# Altium PCB PCB_Tx.PcbDoc
Units mm, origin at the board's own origin, x right, y up, seen from the top; angles counter-clockwise.
Board outline 106.22 x 85.17 mm, 2 copper layers (Top Layer, Bottom Layer); 44 components, 39 nets, 191 pads, 12 vias.
Unrouted connection lines stored in the file: 39.
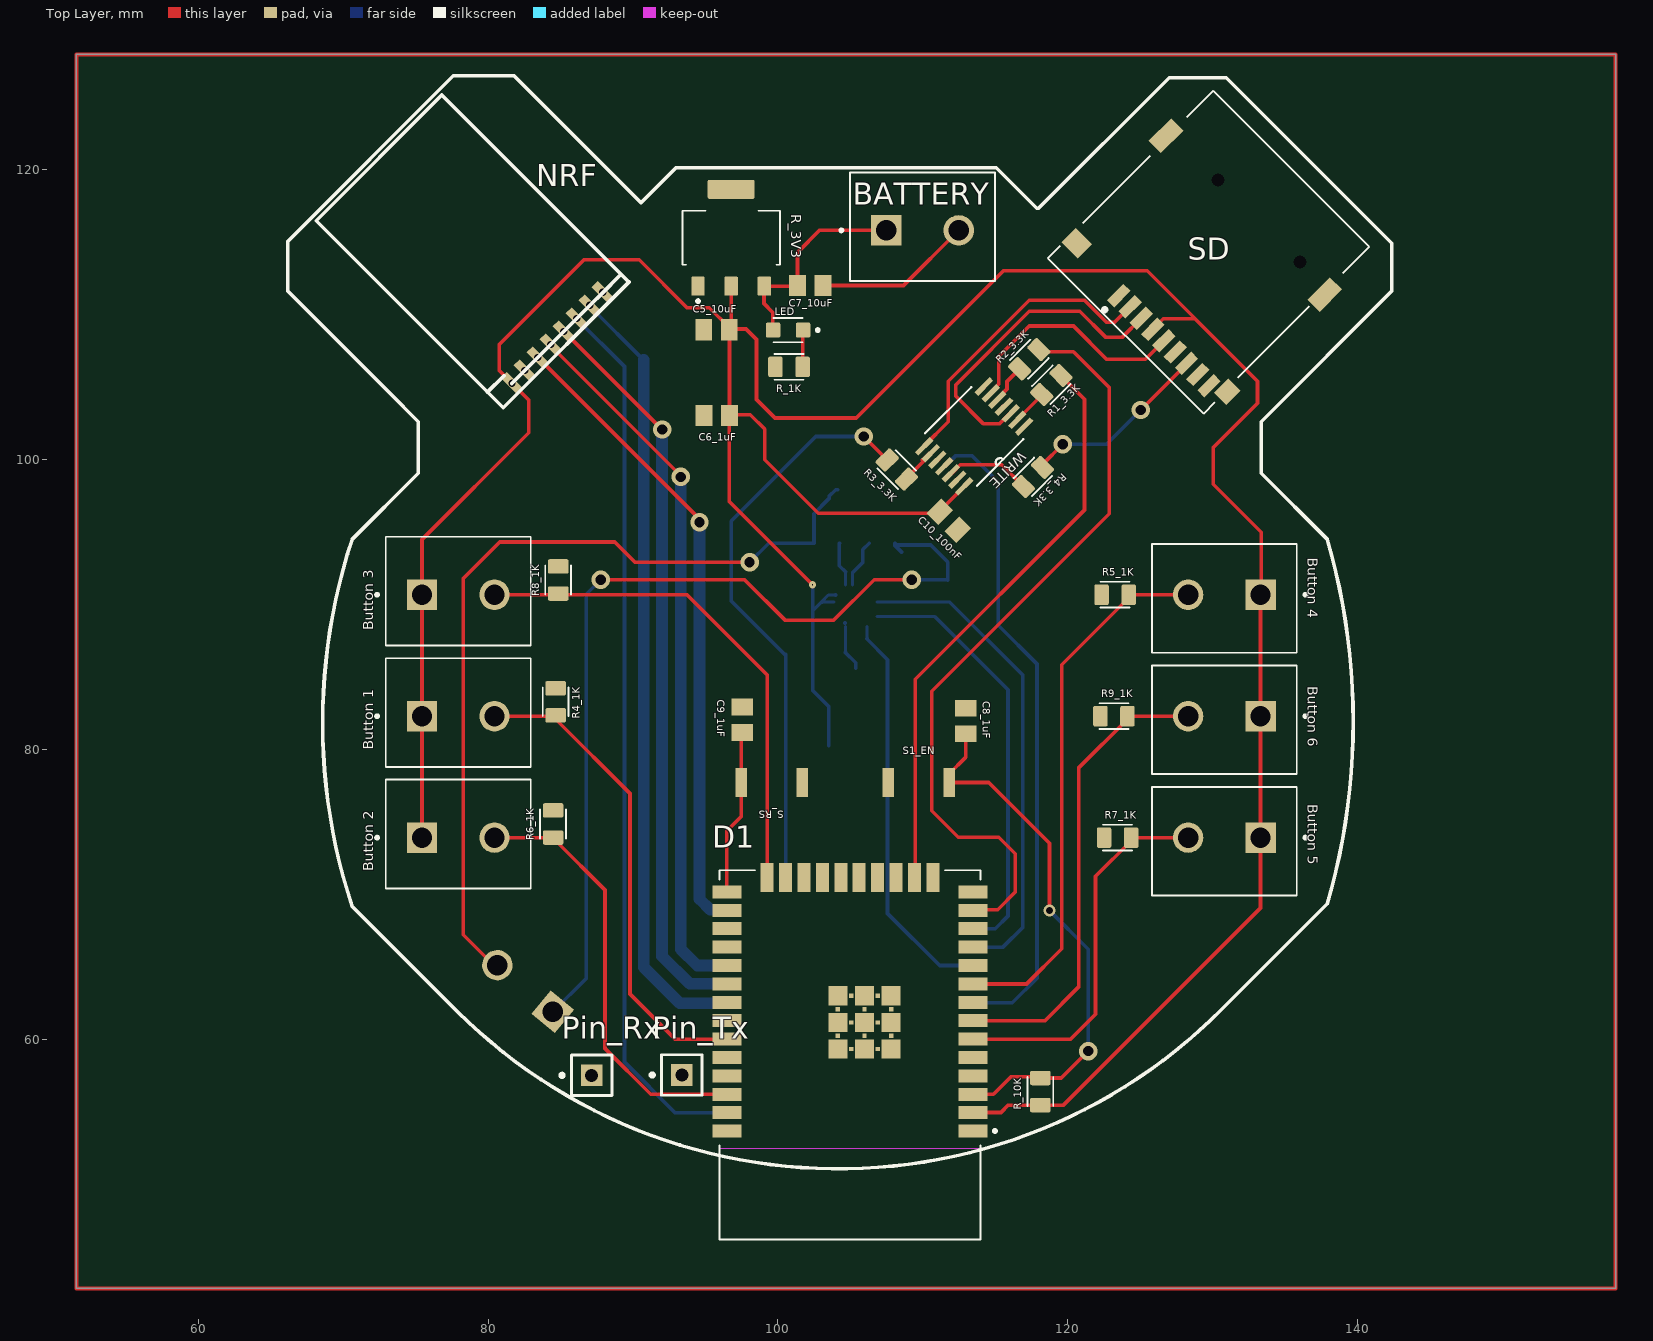
[diagram p0: Top Layer view]
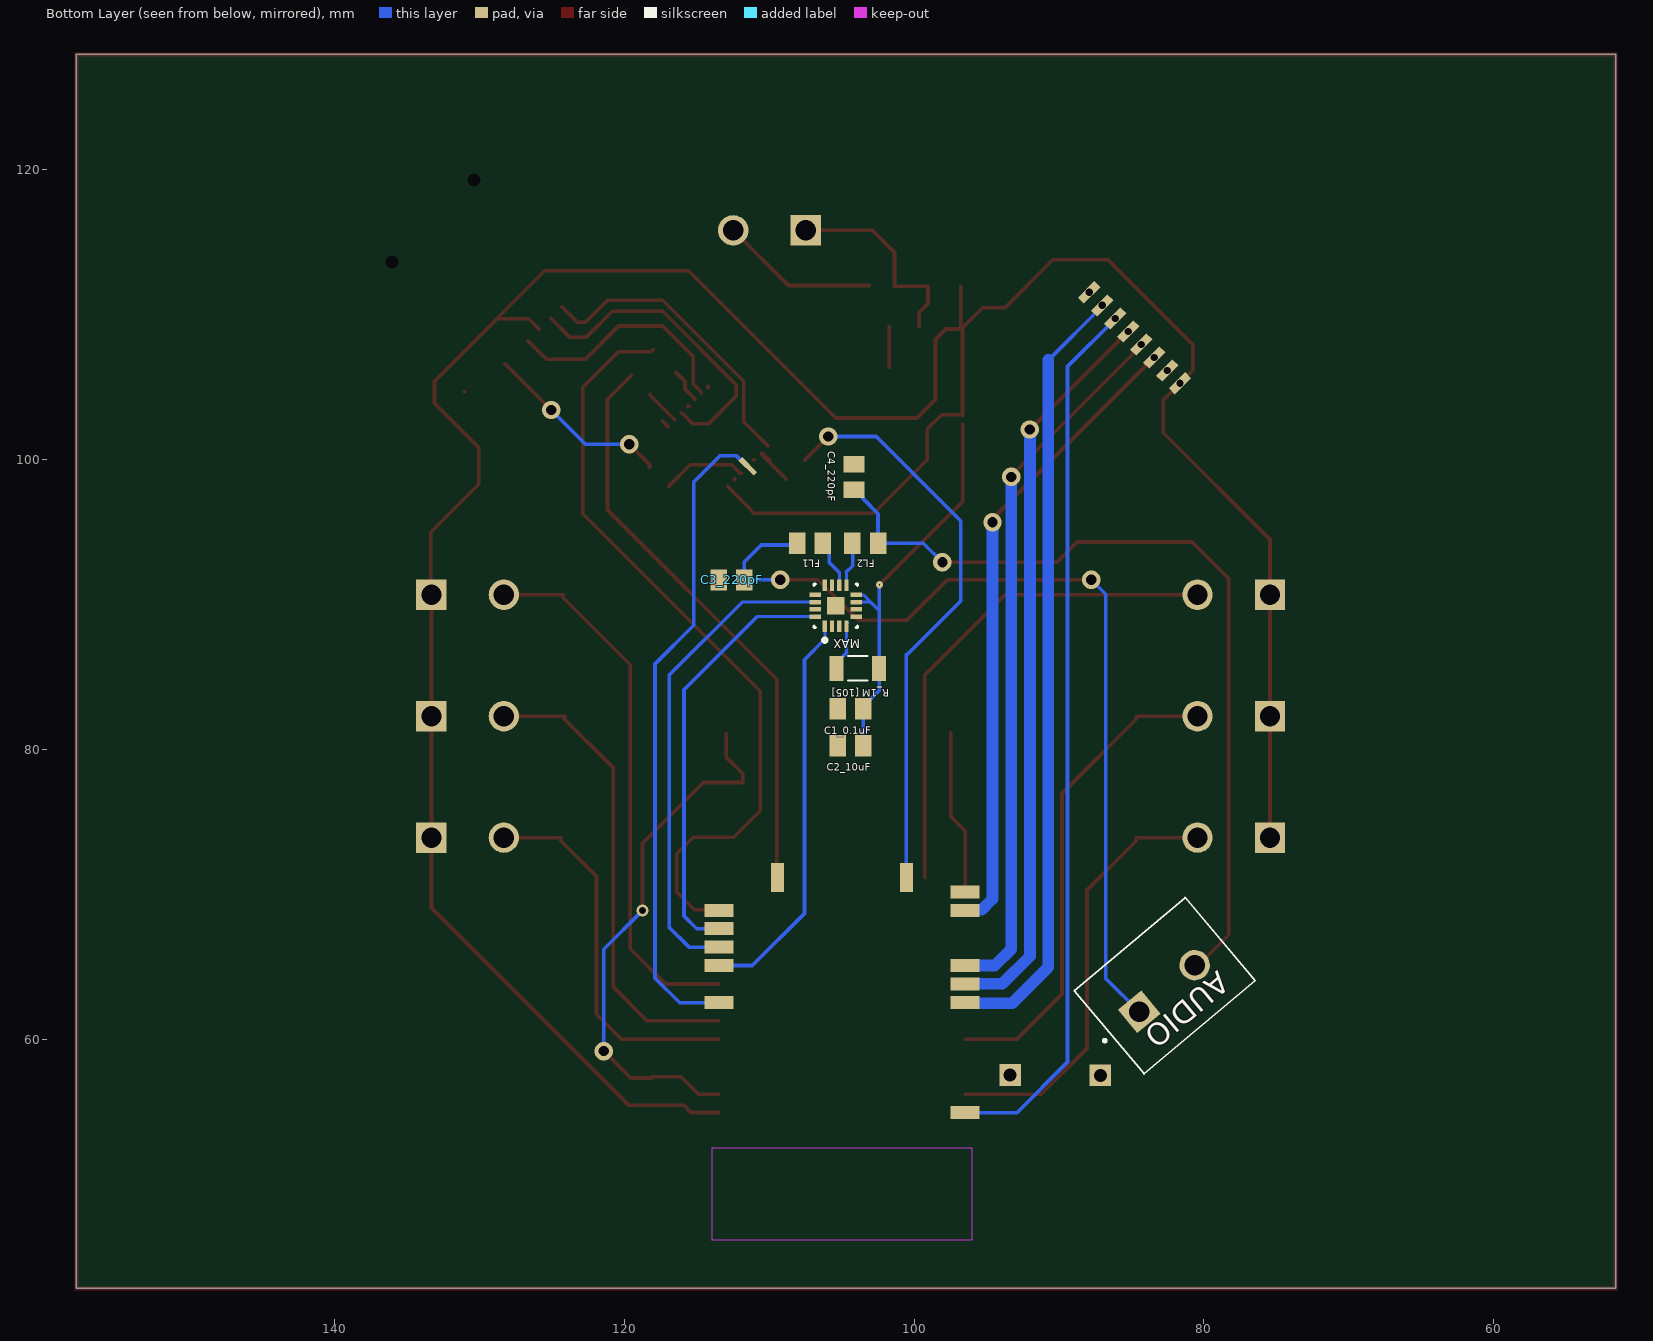
[diagram p1: Bottom Layer view, seen from below]

## Layer stack, top to bottom
Top Solder: solder mask 0.0102, Solder Resist, Dk 3.5
Top Layer: signal copper 0.0356
Dielectric 1: dielectric 0.32, FR-4, Dk 4.8
Bottom Layer: signal copper 0.0356
Bottom Solder: solder mask 0.0102, Solder Resist, Dk 3.5

## Board outline
51.587,42.799 51.587,127.965 157.81,127.965 157.81,42.799

## Design rules (kind name [scope] priority, off if disabled: settings)
Clearance [All] p1: gap=0.254 ignorepadtopadclearanceinfootprint=FALSE except(0: Arc-Hole Track-Hole SMDPad-Hole THPad-Hole Via-Hole Fill-Hole Poly-Hole Region-Hole Text-Hole)
PolygonConnect [All] p1: connectstyle=Relief reliefconductorwidth=0.254 reliefentries=4 polygonreliefangle="90 Angle" airgapwidth=0.254
RoutingVias [All] p1: holewidth=0.711 width=1.27 viastyle="Through Hole" minholewidth=0.711 minwidth=1.27 maxholewidth=0.711 maxwidth=1.27
SolderMaskExpansion [All] p1: expansion=0.102 istentingtop=FALSE
Width [All] p1: maxlimit=0.8 minlimit=0.254 preferedwidth=0.8
30 further rules are at their usual default settings.

## Components (designator, comment, footprint, x,y, rotation, side; value= is the part's Value field where it differs from the comment)
AUDIO "KF301-2P" HANDSON_KF301-2P 82.55,63.5 r140 bottom
BATTERY "KF301-2P" HANDSON_KF301-2P 109.982,115.824 r0 top
"Button 1" "KF301-2P" HANDSON_KF301-2P 77.938,82.296 r0 top
"Button 2" "KF301-2P" HANDSON_KF301-2P 77.938,73.914 r0 top
"Button 3" "KF301-2P" HANDSON_KF301-2P 77.938,90.678 r0 top
"Button 4" "KF301-2P" HANDSON_KF301-2P 130.81,90.678 r180 top
"Button 5" "KF301-2P" HANDSON_KF301-2P 130.81,73.914 r180 top
"Button 6" "KF301-2P" HANDSON_KF301-2P 130.81,82.296 r180 top
C1_0.1uF "0805" CAPC2012X94N 104.394,82.804 r0 bottom
C2_10uF "0805" CAPC2012X94N 104.394,80.264 r0 bottom
C3_220pF "0805" CAPC2012X94N 112.598,91.694 r0 bottom
C4_220pF "0805" CAPC2012X94N 104.14,98.806 r90 bottom
C5_10uF "0805" CAPC2012X94N 95.758,108.966 r0 top
C6_1uF "0805" CAPC2012X94N 95.783,103.048 r0 top
C7_10uF "0805" CAPC2012X94N 102.226,112.014 r180 top
C8_1uF "0805" CAPC2012X94N 112.954,81.966 r270 top
C9_1uF "0805" CAPC2012X94N 97.536,82.042 r270 top
C10_100nF "0805" CAPC2012X94N 111.785,95.783 r135 top
D1 "ESP32_MODULE_0" MODULE_ESP32-WROOM-32D 104.975,58.917 r180 top
FL1 "Ferrite Beads" BEADC2012X105N 107.188,94.234 r0 bottom
FL2 "Ferrite Beads" BEADC2012X105N 103.378,94.234 r180 bottom
LED "OF-SMD2012G-1" LEDSC125X200X83-2N 100.705,108.941 r180 top
MAX "" Maxim_Electronics_21-0896_0 105.41,89.916 r90 bottom
NRF "SMD" NRF24L01 82.173,104.717 r135 top
Pin_Rx "Socket" PIN1 87.147,57.506 r90 top
Pin_Tx "Socket" PIN1 93.37,57.531 r90 top
R1_3.3K "0805" RESC2012X65N 118.872,105.156 r45 top
R2_3.3K "0805" RESC2012X65N 117.348,106.934 r45 top
R3_3.3K "0805" RESC2012X65N 108.204,99.314 r135 top
R4_1K "0805" RESC2012X65N 84.658,83.287 r90 top
R4_3.3K "0805" RESC2012X65N 117.602,98.806 r45 top
R5_1K "0805" RESC2012X65N 123.271,90.678 r0 top
R6_1K "0805" RESC2012X65N 84.48,74.854 r90 top
R7_1K "0805" RESC2012X65N 123.444,73.914 r0 top
R8_1K "0805" RESC2012X65N 84.836,91.694 r90 top
R9_1K "0805" RESC2012X65N 123.19,82.296 r0 top
R_1K "0805" RESC2012X65N 100.767,106.401 r0 top
"R_1M [105]" "RC1206" RESC3116X65N 103.886,85.598 r180 bottom
R_3V3 "AMS1117-3.3" SOT229P700X180-4N 96.774,115.316 r0 top
R_10K "0805" RESC2012X65N 118.11,56.388 r90 top
S1_EN "SW-PB" SKRK 109.728,77.724 r180 top
S_RS "SW-PB" SKRK 99.568,77.724 r0 top
SD "Micro SD Card Holder" "Micro SD Card Holder" 130.429,114.427 r135 top
WRITE "74LVC125APW,118" SOP65P640X110-14N 113.538,101.6 r225 top

## Footprints (in the part's own frame and the unit in brackets; to place one, negate y for a bottom-side part, rotate by r counter-clockwise, add the part's x,y. Pads: shape width x height; smd on the part's side, far side on the other; paste and mask are expansions set on the pad)
BEADC2012X105N [mm]
  rect 1.14x1.47 smd: 1(-0.89,0) 2(0.89,0)
CAPC2012X94N [mm]
  rect 1.16x1.47 smd: 1(-0.88,0) 2(0.88,0)
HANDSON_KF301-2P [mm]
  rect 2.1x2.1 hole 1.4: 1(-2.5,0)
  round 2.1 hole 1.4: 2(2.5,0)
  silkscreen extent -5.7,-3.5 5,4
LEDSC125X200X83-2N [mm]
  rrect25% 1x1.05 smd: A(1.035,0) C(-1.035,0)
  silkscreen extent -2.15,-0.84 1,0.84
Maxim_Electronics_21-0896_0 [mm]
  rect 0.8x0.3 smd paste+0 mask+0: 1(-1.425,0.75) 2(-1.425,0.25) 3(-1.425,-0.25) 4(-1.425,-0.75) 9(1.425,-0.75) 10(1.425,-0.25) 11(1.425,0.25) 12(1.425,0.75)
  rect 0.3x0.8 smd paste+0 mask+0: 5(-0.75,-1.425) 6(-0.25,-1.425) 7(0.25,-1.425) 8(0.75,-1.425) 13(0.75,1.425) 14(0.25,1.425) 15(-0.25,1.425) 16(-0.75,1.425)
  rect 1.23x1.23 smd paste+0 mask+0: 17(0,0)
  silkscreen extent -2.5,-1.5 1.5,1.5, body extent -1.5,-1.5 1.5,1.5, height 0.8
"Micro SD Card Holder" [mm]
  rect 0.7x1.6 smd paste+0 mask+0: 1(2.684,7.075) 2(1.584,7.075) 3(0.484,7.075) 4(-0.616,7.075) 5(-1.716,7.075) 6(-2.816,7.075) 7(-3.916,7.075) 8(-5.016,7.075) Cd(-6.116,7.075)
  rect 1.2x1.4 smd paste+0 mask+0: 10(-7.316,6.475)
  rect 1.6x1.4 smd paste+0 mask+0: 11(7.284,6.575)
  rect 1.2x2.2 smd paste+0 mask+0: 12(-7.316,-3.025) 13(8.184,-3.025)
  round 0 hole 0.9 unplated paste-1000 mask+0: ""(-4.516,-3.425) ""(3.484,-3.425)
  silkscreen extent -7.23,-7.55 8.08,8.7, body extent -7.57,-7.42 8.43,7.83, height 1.85
MODULE_ESP32-WROOM-32D [mm]
  rect 2x0.9 smd: 1(-8.5,5.26) 2(-8.5,3.99) 3(-8.5,2.72) 4(-8.5,1.45) 5(-8.5,0.18) 6(-8.5,-1.09) 7(-8.5,-2.36) 9(-8.5,-4.9) 14(-8.5,-11.25) 27(8.5,-8.71) 28(8.5,-7.44) 32(8.5,-2.36) 33(8.5,-1.09) 34(8.5,0.18) 35(8.5,1.45) 36(8.5,2.72) 38(8.5,5.26)
  rect 2x0.9 all layers, no hole: 8(-8.5,-3.63) 10(-8.5,-6.17) 11(-8.5,-7.44) 12(-8.5,-8.71) 13(-8.5,-9.98) 25(8.5,-11.25) 26(8.5,-9.98) 29(8.5,-6.17) 30(8.5,-4.9) 31(8.5,-3.63) 37(8.5,3.99)
  rect 0.9x2 smd: 15(-5.715,-12.25) 17(-3.175,-12.25) 18(-1.905,-12.25) 19(-0.635,-12.25) 20(0.635,-12.25) 21(1.905,-12.25) 22(3.175,-12.25) 24(5.715,-12.25)
  rect 0.9x2 all layers, no hole: 16(-4.445,-12.25) 23(4.445,-12.25)
  rect 1.33x1.33 smd: 39_1(-2.835,-0.405) 39_2(-1,-0.405) 39_3(0.835,-0.405) 39_4(-2.835,-2.24) 39_5(-1,-2.24) 39_6(0.835,-2.24) 39_7(-2.835,-4.075) 39_8(-1,-4.075) 39_9(0.835,-4.075)
  rect 0.3x0.3 smd: 39_10(-1.917,-0.405) 39_11(-0.082,-0.405) 39_12(-2.835,-1.323) 39_13(-1,-1.322) 39_14(0.835,-1.322) 39_15(-1.917,-2.24) 39_16(-0.083,-2.24) 39_17(-2.835,-3.158) 39_18(-1,-3.158) 39_19(0.835,-3.158) 39_20(-1.917,-4.075) 39_21(-0.083,-4.075)
  Keep-Out Layer region: 9,6.45 -9,6.45 -9,12.75 9,12.75
  Keep-Out Layer region: 9,6.45 -9,6.45 -9,12.75 9,12.75
  silkscreen extent -10.1,-12.75 9,12.75, body extent -8.88,-12.57 9.02,12.83, height 2.61
NRF24L01 [mil] "smd"
  rect 62.99x23.62 hole 20: 1(30,-1) 2(30,-49.99) 3(30,-100) 4(30,-150) 5(30,-200) 6(30,-250) 7(30,-300) 8(30,-350)
  silkscreen extent 0,-420 719,63, body extent -3,-412 706,60, height 32
PIN1 [mm] "Connector; Plug"
  rect 1.5x1.5 hole 0.9: 1(0,0)
  silkscreen extent -1.4,-1.4 1.4,2.17
RESC2012X65N [mm]
  rrect25% 1x1.42 smd: 1(-0.935,0) 2(0.935,0)
  silkscreen extent -1,-0.89 1,0.89
RESC3116X65N [mm]
  rect 0.97x1.73 smd: 1(-1.48,0) 2(1.48,0)
  silkscreen extent -0.67,-0.85 0.67,0.85
SKRK [mm]
  rect 0.8x2 smd: 1(-2.1,0) 2(2.1,0)
SOP65P640X110-14N [mil]
  rect 58x14 smd: 1(-115,77) 2(-115,51) 3(-115,26) 4(-115,0) 5(-115,-26) 6(-115,-51) 7(-115,-77) 8(115,-77) 9(115,-51) 10(115,-26) 12(115,26) 13(115,51) 14(115,77)
  rect 58x14 all layers, no hole: 11(115,0)
  silkscreen extent -89,-100 89,100
SOT229P700X180-4N [mm]
  rrect15% 0.93x1.31 smd: 1(-2.29,-3.345) 2(0,-3.345) 3(2.29,-3.345)
  rrect15% 3.24x1.31 smd: 4(0,3.345)
  silkscreen extent -3.36,-4.47 3.36,1.86

## Part data
AUDIO BATTERY "Button 1" "Button 2" "Button 3" "Button 4" "Button 5" "Button 6": "2 Pin Terminal Block 5mm Pitch", Package=Package, Availability=Unavailable, MF="Handson Technology", MP=KF301-2P, Price=None, SnapEDA_Link=https://www.snapeda.com/parts/KF301-2P/Handson%20Technology/view-part/4276957/?ref=snap
C1_0.1uF C2_10uF C3_220pF C4_220pF C5_10uF C6_1uF C7_10uF C8_1uF C9_1uF C10_100nF: library part 0805YC103J4T2A, "10000pF Â±5% 16V Ceramic Capacitor X7R 0805 _2012 Metric_", Package="2012 AVX", Availability=Unavailable, MF=AVX, MP=0805YC103J4T2A, Price=None, SnapEDA_Link=https://www.snapeda.com/parts/0805YC103J4T2A/AVX/view-part/606803/?ref=snap
FL1 FL2: library part BLM21PG221BH1D, Package=None, Availability=Unavailable, MP=BLM21PG221BH1D, Price=None
LED: "LED; SMD; 0805; green; 600-800mcd; 2x1.25mm; 120Â°; Î»d: 5", Package="0805 Optoflash", Availability=Unavailable, MF=Optoflash, MP=OF-SMD2012G-1, Price=None, SnapEDA_Link=https://www.snapeda.com/parts/OF-SMD2012G-1/Optoflash/view-part/560281/?ref=snap
MAX: library part IC_Maxim_Electronics_MAX98357AETE+T_eec, "IC Amplifier IC 2-Channel (Stereo) Class D 16-TQFN (3x3)", Digikey Part Number=MAX98357AETE+T-ND, Manufacturer="Maxim Electronics", Mfg Package Ident=21-0896, Mouser Part Number=700-MAX98357AETE+T, Part Number=MAX98357AETE+T, Temperature="+40°C to +85°C", Temperature Range High=+85°C, Temperature Range Low=+40°C, ComponentLink1Description=Upverter, ComponentLink1URL=https://upverter.com/upn/revision/0f54a4b5bdb80fd2/, ComponentLink2Description=Datasheet, ComponentLink2URL=http://datasheets.maximintegrated.com/en/ds/MAX98357A-MAX98357B.pdf, Digikey Description="IC Amplifier IC 2-Channel (Stereo) Class D 16-TQFN (3x3)", helpURL=https://upverter.com/upn/revision/0f54a4b5bdb80fd2/, Lead Free=yes, Package=21-0896, Price=1.00367999051, RoHS=TRUE, Supplier 1=Digi-Key, Supplier 2=Mouser, Supplier Part Number 1=MAX98357AETE+T-ND, Supplier Part Number 2=700-MAX98357AETE+T
NRF: library part nrf24l01_smd
R1_3.3K R2_3.3K R3_3.3K R4_1K R4_3.3K R5_1K R6_1K R7_1K R8_1K R9_1K R_1K R_10K: library part 2-2176053-0, "RES 0.33 OHM 1% 1/4W 0805", Power_Rating=".25 W", Resistance=.33, Tolerance=1%, Availability=Unavailable, EU_RoHS_Compliance="Compliant with Exemptions", MF="TE Connectivity", MP=2-2176053-0, Package=0805, Price=None, SnapEDA_Link=https://www.snapeda.com/parts/2-2176053-0/TE%20Connectivity/view-part/2214508/?ref=snap
"R_1M [105]": library part RC1206JR-0713RL, "13 Ohms Â±5% 0.25W, 1/4W Chip Resistor 1206 _3216 Metric_ Moisture Resistant Thick Film", Package="3116 Yageo", Availability=Unavailable, MF=Yageo, MP=RC1206JR-0713RL, Price=None, SnapEDA_Link=https://www.snapeda.com/parts/RC1206JR-0713RL/Yageo/view-part/105893/?ref=snap
R_3V3: "Sot223/Pkg 1-Amp 3.3-Volt Low Drop Out Voltage Regulatator", Package=None, Availability=Unavailable, MF="Advanced Monolithic Systems", MP=AMS1117-3.3, Price=None, SnapEDA_Link=https://www.snapeda.com/parts/AMS1117-3.3/Advanced%20Monolithic%20Systems/view-part/53450/?ref=snap
S1_EN S_RS: "Switch", LatestRevisionDate=17-Jul-2002, LatestRevisionNote="Re-released for DXP Platform.", PackageDescription="Switch; 2 Leads", PackageReference=SPST-2, Published=24-Mar-1999, Publisher="Altium Limited"
WRITE: "IC BUF NON-INVERT 3.6V 14TSSOP", Package=None, Availability=Good, Check_prices=https://www.snapeda.com/parts/74LVC125APW,118/Nexperia/view-part/5160321/?ref=eda, MF="Nexperia USA Inc.", MP=74LVC125APW,118, Price=None, Purchase-URL=https://pricing.snapeda.com/search/part/74LVC125APW,118/?ref=eda, SnapEDA_Link=https://www.snapeda.com/parts/74LVC125APW,118/Nexperia/view-part/5160321/?ref=snap
Pin_Rx Pin_Tx: LatestRevisionDate=17-Jul-2002, LatestRevisionNote="Re-released for DXP Platform.", Publisher="Altium Limited"

## Via types
v1: diameter 1.27, hole 0.711, Top Layer to Bottom Layer, 10 vias
v2: diameter 0.8, hole 0.5, Top Layer to Bottom Layer, 1 vias
v3: diameter 0.5, hole 0.1, Top Layer to Bottom Layer, 1 vias

## Nets (pads, with @x,y where several pads share a name; then routed paths per layer and width w, separated by ;. In a path a pad name is that pad's centre, name@x,y a point inside that pad or via, vN(x,y) a via of type N, cw(c..) or ccw(c..) an arc to the next point about the centre after c; other vN are vias at no path point)
3v3: "Button 1.1" "Button 2.1" "Button 3.1" "Button 4.1" "Button 5.1" "Button 6.1" "R_1M [105].2" C1_0.1uF.1 C2_10uF.1 C5_10uF.2 C6_1uF.2 C10_100nF.2 D1.2 MAX.7 MAX.8 NRF.1 R_3V3.2 R_10K.1 SD.4 WRITE.14 | length 232.8
  Top Layer w0.254: 75.438,73.914 75.438,82.296 75.438,90.678 75.438,94.488 82.804,101.854 82.804,104.122 NRF.1 80.772,106.154 80.772,107.95 86.614,113.792 90.424,113.792 93.726,110.49 95.269,110.49 C5_10uF.2@96.638,109.121 ; C6_1uF.2@96.638,102.447 96.638,97.113 v3(102.387,91.364) ; R_3V3.2 96.774,109.102 C5_10uF.2@96.716,109.044 ; C10_100nF.2 111.054,96.296 102.789,96.296 99.085,100 99.085,102.108 98.095,103.099 96.714,103.099 C6_1uF.2 96.663,108.941 C5_10uF.2 ; C10_100nF.2@111.269,96.565 WRITE.14 ; D1.2 113.493,54.945 115.397,54.945 115.905,55.453 R_10K.1 119.715,55.453 133.31,69.048 133.31,73.914 133.31,82.296 133.31,90.678 133.35,90.718 133.35,94.996 130.048,98.298 130.048,100.838 133.096,103.886 133.096,105.412 128.78,109.728 128.764,109.728 ; SD.4 126.601,109.728 128.764,109.728 ; C5_10uF.2 C5_10uF.2@96.716,109.044 ; C5_10uF.2 C5_10uF.2@96.638,109.121 ; C5_10uF.2@96.638,109.121 C5_10uF.2@96.715,109.044 ; C5_10uF.2@96.716,109.043 96.742,109.017 97.801,109.017 98.527,108.291 98.527,104.147 99.804,102.87 105.41,102.87 115.57,113.03 125.494,113.03 128.764,109.76 128.764,109.728
  Bottom Layer w0.2: 103.022,90.195 103.48,90.653 MAX.8@103.972,90.653 ; 103.052,90.166 MAX.7@103.861,90.166
  Bottom Layer w0.254: v3(102.387,91.364) 102.406,91.345 102.406,89.579 ; 103.052,90.166 103.022,90.195 102.406,89.579 ; C2_10uF.1 C1_0.1uF.1 103.514,82.959 102.406,84.067 102.406,85.598 102.406,89.579 ; MAX.8@103.972,90.653 MAX.8
GND: BATTERY.2 C1_0.1uF.2 C2_10uF.2 C3_220pF.2 C4_220pF.2 C5_10uF.1 C6_1uF.1 C7_10uF.1 C8_1uF.1 C9_1uF.1 C10_100nF.1 D1.1 D1.15 D1.38 MAX.2 MAX.3 MAX.11 MAX.15 MAX.17 NRF.2 R4_1K.2 R5_1K.1 R6_1K.2 R7_1K.1 R8_1K.2 R9_1K.1 R_1K.1 R_3V3.1 S1_EN.2 S_RS.2 SD.10 SD.11 SD.12 SD.13 WRITE.1 WRITE.4 WRITE.7 WRITE.10 WRITE.13 | length 11.8
  Top Layer w0.254: C7_10uF.1 108.672,112.014 BATTERY.2 ; WRITE.10 WRITE.10@111.077,100.002 ; WRITE.13 WRITE.13@112.389,98.69 ; WRITE.7@114.221,104.977 WRITE.7 ; WRITE.4@115.532,103.665 WRITE.4 ; WRITE.1 WRITE.1@117.382,102.678
NetAUDIO_1: AUDIO.1 C3_220pF.1 FL1.2 | length 63.7
  Top Layer w0.254: v1(87.782,91.719) 97.688,91.719 100.482,88.925 103.861,88.925 106.655,91.719 v1(109.245,91.719)
  Bottom Layer w0.254: AUDIO.1 86.766,64.194 86.766,90.703 v1(87.782,91.719) ; FL1.2@108.54,93.626 108.521,93.626 108.078,94.069 FL1.2 108.205,94.107 110.541,94.107 111.718,92.93 C3_220pF.1 111.693,91.719 v1(109.245,91.719)
NetAUDIO_2: AUDIO.2 C4_220pF.1 FL2.2 | length 58.6
  Top Layer w0.254: AUDIO.2 80.384,65.107 78.283,67.208 78.283,91.796 80.797,94.31 88.737,94.31 90.134,92.913 v1(98.044,92.913)
  Bottom Layer w0.254: v1(98.044,92.913) 99.365,94.234 FL2.2 102.488,96.274 103.532,97.318 103.532,97.473 103.985,97.926 C4_220pF.1
NetBATTERY_1: BATTERY.1 C7_10uF.2 LED.A R_3V3.3 | length 14.4
  Top Layer w0.254: LED.A@99.651,109.195 99.651,110.161 99.041,110.77 99.041,111.948 R_3V3.3 101.346,111.971 C7_10uF.2 101.346,114.3 102.87,115.824 BATTERY.1
"NetButton 1_2": "Button 1.2" D1.33 R4_1K.1 | length 33.5
  Top Layer w0.254: 80.438,82.296 84.663,82.296 84.663,82.086 89.789,76.96 89.789,63.119 92.901,60.007 D1.33
"NetButton 2_2": "Button 2.2" D1.36 R6_1K.1 | length 29.9
  Top Layer w0.254: 80.438,73.914 84.663,73.914 84.663,73.704 88.062,70.305 88.062,59.36 91.225,56.197 D1.36
"NetButton 3_2": "Button 3.2" D1.24 R8_1K.1 | length 35.1
  Top Layer w0.254: 80.438,90.678 84.836,90.678 93.726,90.678 99.26,85.144 D1.24
"NetButton 4_2": "Button 4.2" D1.9 R5_1K.2 | length 37.6
  Top Layer w0.254: D1.9 117.157,63.817 119.583,66.243 119.583,85.845 124.206,90.468 R5_1K.2 128.31,90.678
"NetButton 5_2": "Button 5.2" D1.6 R7_1K.2 | length 26.3
  Top Layer w0.254: D1.6 120.205,60.007 121.92,61.722 121.92,71.245 124.379,73.704 R7_1K.2 128.31,73.914
"NetButton 6_2": "Button 6.2" D1.7 R9_1K.2 | length 32.5
  Top Layer w0.254: D1.7 118.427,61.277 120.752,63.602 120.752,78.713 124.125,82.086 R9_1K.2 128.31,82.296
NetC8_1uF_2: C8_1uF.2 D1.3 R_10K.2 S1_EN.1 | length 37.1
  Top Layer w0.254: C8_1uF.2 112.954,79.45 111.828,78.324 S1_EN.1 114.554,77.724 118.745,73.533 v2(118.745,68.885) ; D1.3 114.871,56.197 116.078,57.404 R_10K.2@118.11,57.404 ; R_10K.2 119.553,57.323 v1(121.412,59.182)
  Bottom Layer w0.254: v2(118.745,68.885) 121.412,66.218 v1(121.412,59.182)
NetC9_1uF_2: C9_1uF.2 D1.25 S_RS.1 | length 11.4
  Top Layer w0.254: D1.25 96.475,74.377 97.468,75.37 S_RS.1 C9_1uF.2@97.468,81.162
NetD1_8: D1.8 WRITE.11 | length 45.3
  Top Layer w0.254: WRITE.11 WRITE.11@111.544,99.535
  Bottom Layer w0.254: WRITE.11@111.544,99.535 112.289,100.279 113.386,100.279 115.214,98.45 115.214,88.57 117.881,85.903 117.881,64.211 116.18,62.509 113.589,62.509 113.513,62.509 D1.8
NetD1_10: D1.10 MAX.1 | length 27.8
  Bottom Layer w0.2: 106.16,87.669 MAX.1
  Bottom Layer w0.254: 106.16,87.669 106.125,87.634 107.569,86.189 107.569,68.682 111.164,65.087 D1.10
NetD1_11: D1.11 MAX.14 | length 33.5
  Bottom Layer w0.2: MAX.14 111.866,90.166
  Bottom Layer w0.254: 111.866,90.166 116.891,85.141 116.891,67.716 115.531,66.357 D1.11
NetD1_12: D1.12 MAX.16 | length 29.5
  Bottom Layer w0.2: MAX.16 110.834,89.166
  Bottom Layer w0.254: 110.834,89.166 115.875,84.125 115.875,68.504 114.998,67.627 D1.12
NetD1_13: D1.13 R2_3.3K.2 | length 53.3
  Top Layer w0.254: D1.13 113.514,68.936 115.164,68.936 116.383,70.155 116.383,72.796 115.24,73.939 112.446,73.939 110.617,75.768 110.617,84.023 122.86,96.266 122.86,104.978 120.391,107.447 118.158,107.447 R2_3.3K.2
NetD1_16: D1.16 R1_3.3K.2 | length 40.3
  Top Layer w0.254: D1.16 109.474,71.221 109.474,84.836 121.158,96.52 121.158,104.14 121.158,104.166 119.533,105.791 R1_3.3K.2
  Bottom Layer w0.254: D1.16 D1.16@109.474,71.221
NetD1_23: D1.23 R3_3.3K.2 | length 40.1
  Top Layer w0.254: D1.23 D1.23@100.584,71.221 ; v1(105.918,101.6) R3_3.3K.2
  Bottom Layer w0.254: D1.23 100.53,86.563 100.457,86.563 96.774,90.246 96.774,95.758 102.616,101.6 v1(105.918,101.6)
NetD1_26: D1.26 NRF.3 | length 44.2
  Top Layer w0.254: NRF.3 83.439,107.052 94.59,95.901 v1(94.59,95.682)
  Bottom Layer w0.8: v1(94.59,95.682) 94.59,69.678 95.32,68.947 96.425,68.947 D1.26
NetD1_29: D1.29 NRF.4 | length 49.1
  Top Layer w0.254: NRF.4 84.328,107.861 93.294,98.895 v1(93.294,98.806)
  Bottom Layer w0.8: v1(93.294,98.806) 93.294,66.218 94.425,65.087 D1.29
NetD1_30: D1.30 NRF.5 | length 51.2
  Top Layer w0.254: NRF.5 85.23,108.848 91.995,102.083 v1(92.018,102.083)
  Bottom Layer w0.8: v1(92.018,102.083) 91.999,102.064 91.999,65.735 93.917,63.817 D1.30
NetD1_31: D1.31 NRF.7 | length 54
  Top Layer w0.254: D1.31@96.412,62.484 D1.31
  Bottom Layer w0.254: NRF.7 87.022,110.59 90.729,106.883
  Bottom Layer w0.8: 90.729,106.883 90.729,64.973 93.218,62.484 D1.31@96.412,62.484
NetD1_34: D1.34 Pin_Rx.1
NetD1_35: D1.35 Pin_Tx.1
NetD1_37: D1.37 NRF.6 | length 61.2
  Bottom Layer w0.254: NRF.6 86.124,109.71 89.408,106.426 89.408,58.42 92.901,54.927 D1.37
NetFL1_1: FL1.1 MAX.10 | length 3.4
  Bottom Layer w0.2: MAX.10 105.16,92.198 105.168,92.206
  Bottom Layer w0.254: 105.168,92.206 105.855,92.893 105.855,93.791 FL1.1
NetFL2_1: FL2.1 MAX.9 | length 3.1
  Bottom Layer w0.2: MAX.9 104.66,92.266
  Bottom Layer w0.254: FL2.1 104.242,94.208 104.242,92.685 104.66,92.266
NetLED_C: LED.C R_1K.2 | length 2.9
  Top Layer w0.254: R_1K.2@101.679,106.378 R_1K.2 101.721,106.42 101.721,108.922 LED.C ; LED.C@101.711,108.931 101.721,108.941 LED.C@101.721,109.195
NetMAX_4: "R_1M [105].1" MAX.4 | length 3.2
  Bottom Layer w0.2: 104.66,86.708 MAX.4
  Bottom Layer w0.254: 104.66,86.708 104.648,86.696 105.366,85.978 105.366,85.598
NetR1_3.3K_1: R1_3.3K.1 WRITE.2 | length 2.4
  Top Layer w0.254: WRITE.2 118.211,104.441 R1_3.3K.1
NetR2_3.3K_1: R2_3.3K.1 WRITE.5 | length 2.4
  Top Layer w0.254: WRITE.5 115.136,104.204 115.81,104.878 115.81,105.396 R2_3.3K.1@116.433,106.019
NetR3_3.3K_1: R3_3.3K.1 WRITE.9 | length 3.3
  Top Layer w0.254: R3_3.3K.1 108.865,98.706 110.557,100.397 WRITE.9 110.485,100.451 110.006,99.971 109.963,99.971
NetR4_3.3K_1: R4_3.3K.1 WRITE.12 | length 5.9
  Top Layer w0.254: WRITE.12@111.898,99.068 WRITE.12 112.011,99.068 112.59,99.646 115.44,99.646 R4_3.3K.1
NetR4_3.3K_2: R4_3.3K.2 SD.7 | length 13.1
  Top Layer w0.254: R4_3.3K.2 118.263,99.67 v1(119.659,101.067) ; v1(125.044,103.429) SD.7@128.233,106.617
  Bottom Layer w0.254: v1(119.659,101.067) 122.682,101.067 v1(125.044,103.429)
NetSD_2: SD.2 WRITE.8 | length 21.1
  Top Layer w0.254: WRITE.8 110.09,100.946 111.76,102.616 111.76,105.41 117.348,110.998 121.158,110.998 122.682,109.474 123.236,109.474 SD.2
NetSD_3: SD.3 WRITE.3 | length 21.9
  Top Layer w0.254: WRITE.3 115.999,103.198 115.267,102.467 114.195,102.467 112.268,104.394 112.268,105.156 117.348,110.236 120.824,110.236 122.602,108.458 123.776,108.458 SD.3
NetSD_5: SD.5 WRITE.6 | length 16.5
  Top Layer w0.254: WRITE.6 114.687,104.653 115.248,105.214 115.248,107.12 117.348,109.22 120.396,109.22 122.682,106.934 125.363,106.934 SD.5
pads on no net: D1.4 D1.5 D1.14 D1.17 D1.18 D1.19 D1.20 D1.21 D1.22 D1.27 D1.28 D1.32 D1.39_1 D1.39_2 D1.39_3 D1.39_4 D1.39_5 D1.39_6 D1.39_7 D1.39_8 D1.39_9 D1.39_10 D1.39_11 D1.39_12 D1.39_13 D1.39_14 D1.39_15 D1.39_16 D1.39_17 D1.39_18 D1.39_19 D1.39_20 D1.39_21 MAX.5 MAX.6 MAX.12 MAX.13 NRF.8 R_3V3.4 SD. SD.1 SD.6 SD.8 SD.Cd
copper on no net: | length 382.8
  Top Layer w0.254: 51.587,42.799 157.81,42.799 157.81,127.965 51.587,127.965 51.587,42.799

## Silkscreen, mask and mechanical layers (free items; w line width, h text height)
Top Overlay:
  lines w0.254: 70.624,69.135 cw(c109.019,81.83) 70.612,94.488 75.184,99.06 75.184,102.616 73.152,104.648 66.167,111.633 66.167,111.76 66.167,115.062 77.597,126.492 77.724,126.492 81.788,126.492 90.551,117.729 92.964,120.142 115.062,120.142 117.856,117.348 117.983,117.348 127,126.365 130.937,126.365 142.367,114.935 142.367,111.633 133.35,102.616 133.35,99.06 137.922,94.488 cw(c94.357,81.915) 137.922,69.342 ; 70.652,69.128 77.878,61.917 ccw(c104.18,88.33) 130.593,62.027 137.908,69.342 137.922,69.342 ; 137.922,69.342 137.922,69.342

## Text inside footprints (layer, text, board x,y; h text height)
D1: Mechanical 13 "ANTENNA" at 110.975,49.917 h1.78 r180